# Altium PCB Master.PcbDoc (part 2 of 2)
Units mm, origin at the board's own origin, x right, y up, seen from the top; angles counter-clockwise.
Board outline 200 x 100 mm, 2 copper layers (Top Layer, Bottom Layer); 93 components, 64 nets, 321 pads, 80 vias.
Unrouted connection lines stored in the file: 1.
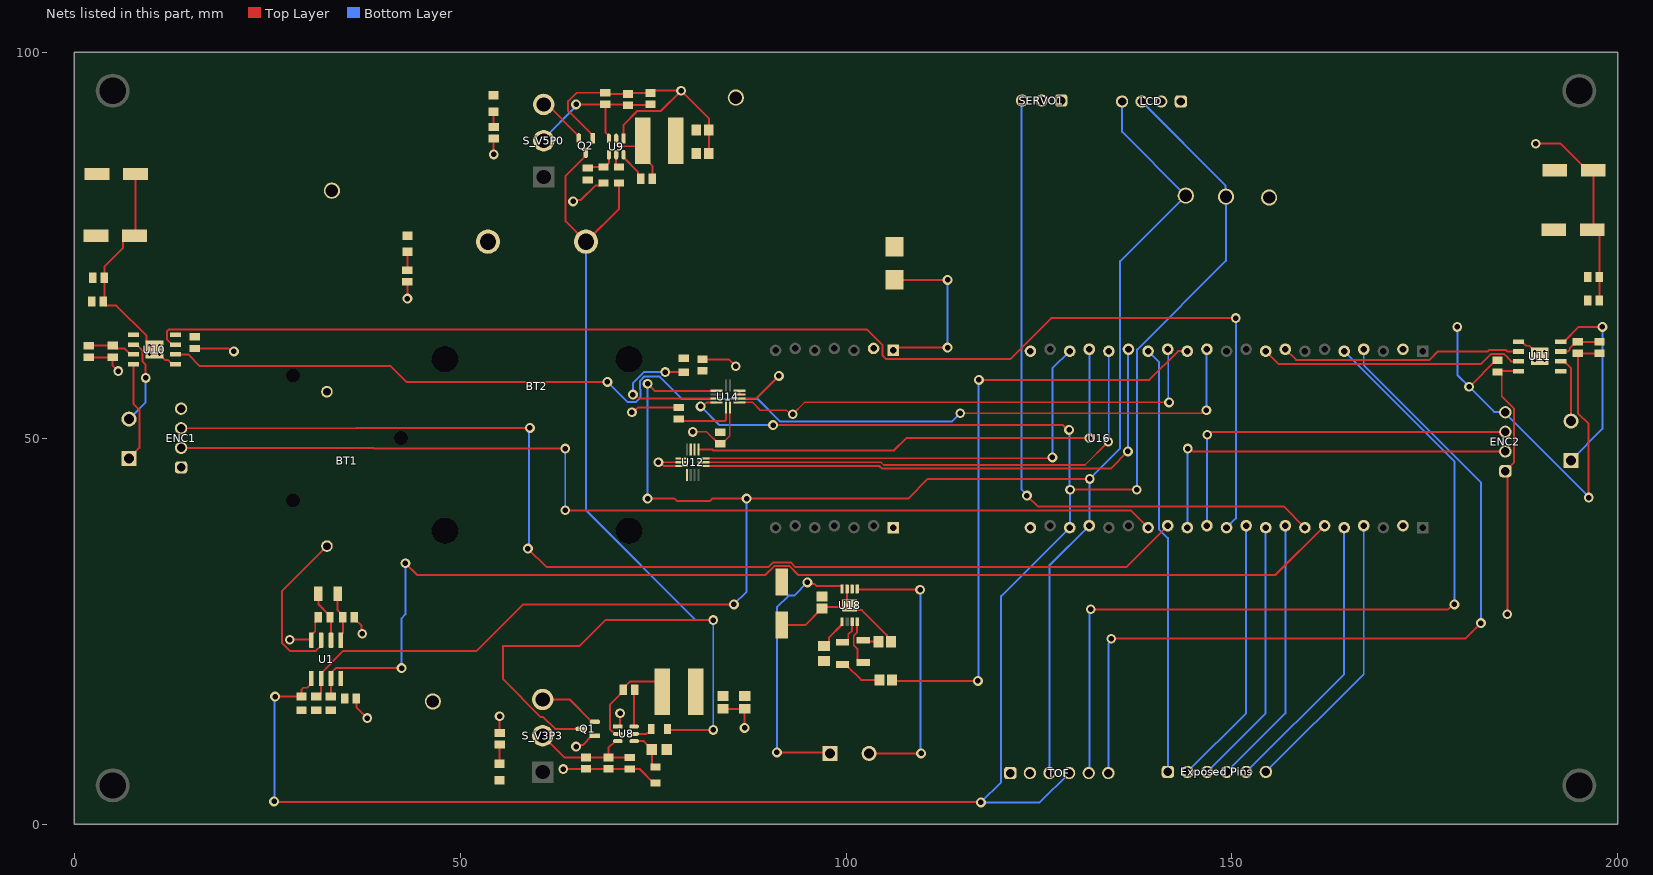
[diagram p2: the nets of this part, all layers, seen from the top]

## Part data (continued)
R20 R21 R23 R24: library part CMP-2001-00628-1, "RES 0.2 OHM 1% 1/2W 0805", Case Code (Imperial)=0805, Case Code (Metric)=2012, Manufacturer=Panasonic, Manufacturer Part Number=ERJ-6DSFR20V, Max Operating Temperature=155°C, Max Power Dissipation=500mW, Min Operating Temperature=-55°C, Supplier Part Number=P19315CT-ND, Temperature Coefficient=150ppm/°C, Tolerance=1%, Case/Package=0805, Category="Chip SMD Resistors", ComponentLink1Description=http://www.farnell.com/datasheets/2883947.pdf?src-supplier=Newark, ComponentLink1URL=http://www.farnell.com/datasheets/2883947.pdf?src-supplier=Newark, ComponentLink2Description=https://industrial.panasonic.com/cdbs/www-data/pdf/RDN0000/AOA0000C313.pdf?src-supplier=Digikey, ComponentLink2URL=https://industrial.panasonic.com/cdbs/www-data/pdf/RDN0000/AOA0000C313.pdf?src-supplier=Digikey, Features="Automotive AEC-Q200", Height=0.028inch, Length=0.079inch, Number of Terminations=2, Packaging="Cut Tape", Pricing="1=0.46, 10=0.314, 25=0.2444, 50=0.18, 100=0.1253, 250=0.1092, 500=0.09004, 1000=0.06514 (USD)", RoHS=Yes, Series=ERJ, Stock=49000, Supplier=Digikey, Width=0.049inch
R34 R35: library part CMP-03613-000233-1, "RES Thick Film, 301kΩ, 1%, 0.25W, 50ppm/°C, 1206", Case/Package=1206, Max Operating Temperature=155°C, Max Power Dissipation=250mW, Min Operating Temperature=-55°C, Package Quantity=5000, Resistance=301kR, Resistor Type="Thick Film", Temperature Coefficient=50ppm/°C, Tolerance=1%, Features="Automotive AEC-Q200", Height=0.024inch, Length=0.126inch, Number of Terminations=2, Packaging="Tape and Reel", RoHS Compliant=Yes, Series=CRCW-P, Width=0.063inch
R36: library part CMP-2001-04711-1, Manufacturer="Vishay Dale", Part Number=TNPW0805301KBEEN
S_V3P3 S_V5P0: "Slide Switch SPDT Through Hole", Package=None, Availability=Unavailable, MP=500SSP1S2M2QEA, Price=None
SERVO1: library part CMP-1502-01062-3, Color=Black, Contact Resistance=20mΩ, Current Rating=3A, Max Operating Temperature=105°C, Min Operating Temperature=-40°C, Operating Supply Voltage=250V, Connector Type="Male Pin", Contact Material=Copper, Contact Mating Length=5.9944mm, Contact Plating=Gold, Gender=Male, Height=8.94mm, Lead Free="Lead Free", Lead Pitch=2.54mm, Mount="Through Hole", NexarPartId=32855521, Number of Contacts=3, Number of Pins=3, Number of Positions=3, Number of Rows=1, Orientation=Vertical, Packaging=Bulk, Pitch=2.54mm, REACH SVHC=Unknown, RoHS=Compliant, Termination=Solder, Voltage Rating=250V
U1: "Real-time clock (RTC) with automatic switchover to backup supply", Package="SOIC-8 Texas Instruments", Check_prices=https://www.snapeda.com/parts/BQ32002DR/Texas+Instruments/view-part/?ref=eda, MF="Texas Instruments", MP=BQ32002DR, SnapEDA_Link=https://www.snapeda.com/parts/BQ32002DR/Texas+Instruments/view-part/?ref=snap
U8 U9: library part CMP-04918-000361-1, "IC REG BUCK ADJ 2A TSOT23-6", Case/Package=SOT, Max Input Voltage=17V, Max Operating Temperature=125°C, Max Output Current=2A, Min Input Voltage=4.5V, Min Operating Temperature=-40°C, Output Voltage=7V, Quiescent Current=400uA, Switching Frequency=580kHz, Contact Plating=Tin, Lead Free="Lead Free", Mount="Surface Mount", Number of Outputs=1, Number of Pins=6, Operating Supply Voltage=17V, Output Type=Adjustable, RoHS Compliant=Yes
U10 U11: "48-V, 3.5-A H bridge motor driver with current regulation and latched OCP 8-SO PowerPAD -40 to 150", Manufacturer 1="Texas Instruments", Manufacturer Part Number 1=DRV8251DDAR, Supplier Part Number 1=296-DRV8251DDARCT-ND, Category="Integrated Circuits (ICs)", Pricing="1=1.66, 10=1.495, 25=1.4108, 100=1.202, 250=1.12868, 500=0.9876, 1000=0.81829 (USD)", RoHS=No, Stock=4730, Supplier 1=Digi-Key
U12: library part IC-LSM6DSMTR, "Analog Circuit, 1 Func, CMOS, PBGA14", Case/Package=VFLGA, Manufacturer=STMicroelectronics, Max Operating Temperature=85°C, Max Supply Voltage=3.6V, Min Operating Temperature=-40°C, Min Supply Voltage=1.62V, Nominal Supply Voltage=1.8V, Operating Supply Current=0.29-0.65mA, Package=LGA-14L-DM00249496, Package Body Material=Plastic, Package Shape=Rectangular, Package Style="GRID ARRAY, VERY THIN PROFILE, FINE PITCHMeter", Peak Reflow Temperature (Cel)=260°C, Supplier Part Number 1=497-16696-1-ND, Temperature="-40°C to +85°C", Temperature Grade=INDUSTRIAL, Temperature Range High=+85°C, Accel Range=2/4/8/16g, Automotive=No, Category=IC, Channels=1, ComponentLink1Description=https://datasheet.ciiva.com:443/pdfs/VipMasterIC/IC/SGST/SGST-S-A0003491949/SGST-S-A0003491926-1.pdf?src-supplier=IHS+Markit, ComponentLink1URL=https://datasheet.ciiva.com:443/pdfs/VipMasterIC/IC/SGST/SGST-S-A0003491949/SGST-S-A0003491926-1.pdf?src-supplier=IHS+Markit, ComponentLink2Description=Datasheet, ComponentLink2URL=https://www.st.com/resource/en/datasheet/lsm6dsm.pdf, ComponentLink3Description=http://www.farnell.com/datasheets/2151220.pdf?src-supplier=Farnell, ComponentLink3URL=http://www.farnell.com/datasheets/2151220.pdf?src-supplier=Farnell, ComponentLink4Description=https://www.mouser.com/ds/2/389/lsm6dsm-973702.pdf?src-supplier=Mouser, ComponentLink4URL=https://www.mouser.com/ds/2/389/lsm6dsm-973702.pdf?src-supplier=Mouser, ComponentLink5Description=http://www.st.com/content/ccc/resource/sales_and_marketing/promotional_material/flyer/7a/04/ee/af/e2/19/46/66/fllsm6dsm0216.pdf/files/fllsm6dsm0216.pdf/jcr:content/translations/en.fllsm6dsm0216.pdf?src-supplier=Digikey, ComponentLink5URL=http://www.st.com/content/ccc/resource/sales_and_marketing/promotional_material/flyer/7a/04/ee/af/e2/19/46/66/fllsm6dsm0216.pdf/files/fllsm6dsm0216.pdf/jcr:content/translations/en.fllsm6dsm0216.pdf?src-supplier=Digikey, ComponentLink6Description=http://www.st.com/content/ccc/resource/technical/document/datasheet/76/27/cf/88/c5/03/42/6b/DM00218116.pdf/files/DM00218116.pdf/jcr:content/translations/en.DM00218116.pdf?src-supplier=Digikey, ComponentLink6URL=http://www.st.com/content/ccc/resource/technical/document/datasheet/76/27/cf/88/c5/03/42/6b/DM00218116.pdf/files/DM00218116.pdf/jcr:content/translations/en.DM00218116.pdf?src-supplier=Digikey, ComponentLink7Description=https://datasheet.octopart.com/LSM6DSMTR-STMicroelectronics-datasheet-62333594.pdf?src-supplier=Newark, ComponentLink7URL=https://datasheet.octopart.com/LSM6DSMTR-STMicroelectronics-datasheet-62333594.pdf?src-supplier=Newark, ComponentLink8Description=http://www.farnell.com/datasheets/2151220.pdf?src-supplier=Newark, ComponentLink8URL=http://www.farnell.com/datasheets/2151220.pdf?src-supplier=Newark, ComponentLink9Description=https://datasheet.octopart.com/LSM6DSMTR-STMicroelectronics-datasheet-79471837.pdf?src-supplier=Future+Electronics, ComponentLink9URL=https://datasheet.octopart.com/LSM6DSMTR-STMicroelectronics-datasheet-79471837.pdf?src-supplier=Future+Electronics, Device Class L1=Sensors, Device Class L2="Motion Sensors", Device Class L3="Inertial Measurement Units (IMUs)", Digikey Description="IMU ACCEL/GYRO I2C/SPI 14LGA", Footprint Url=https://www.st.com/content/ccc/resource/technical/document/technical_note/73/17/9c/16/dd/96/4a/01/CD00134799.pdf/files/CD00134799.pdf/jcr:content/translations/en.CD00134799.pdf, Gyro Range=125/250/500/1000/2000°/s, Height=0.86mm, Height - Seated (Max)=0.86mm, JESD-609 Code=e4, Lead Free=Yes, Length=3mm, Manufacturer Part Number 1=LSM6DSMTR, Moisture Sensitivity Level=3, Mouser Description="LSM6DSM Series 3.6 V I2C/SPI 3D Accelerometer and 3D Gyroscope - LGA-14", Octopart=https://octopart.com/lsm6dsmtr-stmicroelectronics-66358194, Pins=14, Pricing="1=3.92, 10=2.965, 25=2.7248, 100=2.461, 250=2.33524, 500=2.25944, 1000=2.19705, 2500=2.13118 (USD)", Reach SVHC Compliant=Yes, Resolution=16bits, RoHS=TRUE, RoHS Compliant=Yes, Sensor Output=I2C,SPI, Sensor Type=Temperature,Accelerometer,Gyroscope, Stock=16933, Supplier 1=Digikey, Surface Mount=Yes, Technology=CMOS, Temperature Range Low=-40°C, Terminal Finish=Nickel, Terminal Form=BUTT, Terminal Pitch=0.5mm, Terminal Position=BOTTOM, Throw Configuration="ANALOG CIRCUIT", Width=2.5mm
U14: library part CMP-12173-000003-1, "SENSOR MR I2C/SPI 12LGA", Case/Package=LGA, Max Operating Temperature=85°C, Min Operating Temperature=-40°C, Axis="X, Y, Z", Number of Pins=12, Output Type=SPI, Packaging="Cut Tape", Resolution=16b, RoHS Compliant=Yes, Sensing Method=Magnetoresistive
U16: library part IC_CY8CPROTO-063-BLE
U18: library part CMP-0991-00091-2, "1.4-W Mono Class-D Audio Amplifier, -40 to 85 degC, 8-pin SOP (DGN8), Green (RoHS & no Sb/Br)", Manufacturer="Texas Instruments", Output Power(W)=1.18, Supply Max(Max)(Volt)=5.5, Supply Min(Min)(Volt)=2.5, Code_JEDEC=MO-187, ComponentLink1Description="Manufacturer URL", ComponentLink1URL=http://www.ti.com/, ComponentLink2Description=Datasheet, ComponentLink2URL=http://www.ti.com/general/docs/lit/getliterature.tsp?genericPartNumber=TPA2005D1&fileType=pdf, ComponentLink3Description="Package Specification", ComponentLink3URL=http://www.ti.com/litv/pdf/mpds046e, DatasheetVersion=SLOS369F, Eco-Plan="Green (RoHS & no Sb/Br)", Mounting Technology="Surface Mount", PackageDescription="8-Pin Plastic Small Outline, Body 3 x 3 mm, Pitch 0.65 mm", PackageReference=DGN0008D, PackageVersion="4073271/F, 05/2011", PartNumber=TPA2005D1DGN, PSRR(dB)=-75, Speaker Amp Type=Class-D, Speaker Channels=Mono, SubFamily="Dynamic Speaker"
Y1: library part CMP-0447-00001-4, "Crystal 32.768kHz ±20ppm (Tol) 12.5pF FUND 70kΩ 2-Pin CSMD T/R", Case/Package=CSMD, ESR (Equivalent Series Resistance)=70kR, Frequency=32.768kHz, Frequency Tolerance=20ppm, Load Capacitance=12.5pF, Max Operating Temperature=85°C, Min Operating Temperature=-40°C, Operating Frequency="32.768 kHz", Package Quantity=3000, Depth=1.5mm, Height=0.9mm, Lead Free="Lead Free", Length=3.2mm, Number of Pins=2, Packaging="Tape and Reel", Radiation Hardening=No, REACH SVHC="No SVHC", RoHS Compliant=Yes, Series=ABS07, Series Resistance=70kR, Termination=SMD/SMT, Tolerance=20ppm, Width=1.5mm

## Via types
v1: diameter 1.27, hole 0.711, Top Layer to Bottom Layer, 75 vias
v2: diameter 0.5, hole 0.2, Top Layer to Bottom Layer, 5 vias

## Nets (pads, with @x,y where several pads share a name; then routed paths per layer and width w, separated by ;. In a path a pad name is that pad's centre, name@x,y a point inside that pad or via, vN(x,y) a via of type N, cw(c..) or ccw(c..) an arc to the next point about the centre after c; other vN are vias at no path point)
GND: BT1.2 BT2.N C1.2 C2.2 C3.2 C4.2 C5.2 C6.2 C7.2 C8.1 C9.1 C11.2 C12.2 C13.2 C14.1 C15.1 C17.1 C18.1 C19.2 C20.2 C21.1 C22.1 C23.2 C24.2 C25.2 C26.2 C27.2 C28.2 C34.1 C36.2 C37.1 ENC1.4 ENC2.4 GND.1 LCD.1 Q1.1 Q2.1 R14.1 R15.1 R18.2 R19.1 R20.1 R21.1 R22.1 R23.1 R24.1 SERVO1.1 TOF.1 U1.4 U8.1 U9.1 U10.1 U10.9 U11.1 U11.9 U12.6 U12.7 U14.6 U14.8 U16.J1.2 U16.J1.21 U16.J2.2 U16.J2.21 U16.J6.2 U16.J7.1 U18.7 U18.9 | length 269.3
  Top Layer w0.2: v1(80.137,50.8) 81.968,50.8 83.518,49.25 C26.2@83.718,49.25 83.918,49.25 84.959,50.291 U14.6@84.959,53.959
  Top Layer w0.254: R20.1@1.905,60.464 4.986,60.464 R21.1@5,60.478 5,59.396 5.715,58.681 v1(5.715,58.674) ; C17.1@7.961,84.201 7.961,76.327 C18.1@7.834,76.2 7.034,76.2 6.361,75.527 6.361,74.625 3.925,72.189 C20.2@3.925,70.739 3.925,67.818 C19.2@3.798,67.691 3.798,67.491 4.146,67.143 5.483,67.143 9.396,63.23 9.396,62.486 U10.9@9.842,62.039 ; U10.9@10.414,61.468 11.791,60.091 12.186,60.091 12.714,59.563 U10.1@13.139,59.563 U10.1@13.564,59.563 ; C4.2@15.621,61.607 20.033,61.607 20.426,61.214 v1(20.701,61.214) ; v1(27.94,23.876) 30.664,23.876 U1.4@30.734,23.806 30.734,24.491 31.242,24.999 31.242,26.301 C1.2@31.369,26.174 ; C2.2@36.31,26.797 36.31,26.597 37.253,25.654 37.253,24.723 v1(37.338,24.638) ; C3.2@36.564,16.256 36.564,15.125 v1(37.973,13.716) ; v1(43.18,68.072) R22.1@43.18,70.243 ; v1(54.356,86.741) R19.1@54.356,88.797 ; R15.1@55.118,11.799 v1(55.118,13.97) ; v1(63.373,7.112) 66.258,7.112 C5.2@66.294,7.148 C6.2@69.215,7.148 69.239,7.124 C7.2@72.009,7.124 73.287,7.124 75.111,5.3 R14.1@75.311,5.3 ; v1(64.643,80.645) 64.837,80.839 65.654,80.839 67.515,82.701 68.257,82.701 R18.2@68.58,83.024 ; v1(65.024,10.033) 65.218,10.227 65.912,10.227 67.089,11.404 Q1.1@67.475,11.404 ; Q2.1@67.209,88.811 67.209,89.197 64.008,92.398 64.008,93.639 65.099,94.73 C13.2@68.834,94.73 68.985,94.579 C12.2@71.755,94.579 71.882,94.706 C11.2@74.676,94.706 74.97,95 v1(78.638,95) ; U8.1@70.451,12.634 70.6,12.634 70.739,12.773 v1(70.739,14.351) ; U9.1@71.181,88.807 71.181,90.57 72.981,92.37 76.007,92.37 v1(78.638,95) ; v1(72.263,53.34) 72.454,53.34 73.077,53.963 C25.2@78.359,53.963 ; U12.7@78.724,46.363 76.467,46.363 75.967,46.863 v1(75.692,46.863) U12.6@78.724,46.863 ; C27.2@81.407,60.198 84.836,60.198 v1(85.725,59.309) ; C14.1@82.233,86.868 C15.1@82.233,89.916 82.233,91.405 v1(78.638,95) ; C9.1@84.074,14.922 C8.1@86.868,14.922 v1(86.868,12.446) ; U14.8@86.209,55.122 88.396,55.122 v1(91.313,58.039) ; C36.2@91.694,25.775 94.699,25.775 96.826,27.902 C37.1@96.901,27.902 97.139,28.14 100.276,28.14 v2(100.457,28.321) 100.132,28.646 U18.7@100.132,30.446 ; U18.9@101.068,27.71 102.055,27.71 105.306,24.459 105.306,24.145 C34.1@105.829,23.622 ; v1(180.721,56.642) 180.787,56.642 184.204,60.059 C28.2@184.404,60.059 ; U11.1@186.715,62.484 U11.1@187.14,62.484 187.565,62.484 188.093,61.956 188.488,61.956 U11.9@189.865,60.579 ; v1(189.357,88.138) 192.581,88.138 196.01,84.709 C22.1@196.81,84.709 196.81,77.089 C21.1@196.683,76.962 196.927,76.962 197.6,76.289 C24.2@197.6,70.866 197.6,67.83 C23.2@197.588,67.818 C23.2@197.588,67.618 ; v1(196.215,42.291) 196.215,51.829 194.818,53.226 R23.1@194.818,60.972 R24.1@197.612,60.972
  Bottom Layer w0.254: v1(179.197,64.389) 179.197,58.166 v1(180.721,56.642) 183.964,53.399 185.361,53.399 ENC2.4@185.42,53.34 185.42,53.213 196.215,42.418 v1(196.215,42.291)
  other v2: 99.857,27.871 101.057,27.871 99.857,28.771 101.057,28.771
ISENS1: R20.2 R21.2 U10.7 | length 6.3
  Top Layer w0.254: R20.2@1.905,61.964 4.986,61.964 R21.2@5,61.978 5.373,61.605 6.492,61.605 7.264,60.833 U10.7@7.689,60.833
ISENS2: R23.2 R24.2 U11.7 | length 5.7
  Top Layer w0.254: U11.7@192.59,61.214 193.548,61.214 193.762,61.428 193.762,61.63 194.231,62.099 194.445,62.099 R23.2@194.818,62.472 R24.2@197.612,62.472
NetC1_1: C1.1 U1.2 Y1.2 | length 6.7
  Top Layer w0.254: Y1.2@31.643,29.845 31.643,28.501 33.147,26.997 C1.1@33.147,26.797 33.274,26.67 U1.2@33.274,23.806
NetC2_1: C2.1 U1.1 Y1.1 | length 6.4
  Top Layer w0.254: Y1.1@34.143,29.845 34.143,27.664 34.81,26.997 C2.1@34.81,26.797 34.81,24.757 34.544,24.491 U1.1@34.544,23.806
NetC5_1: C5.1 C6.1 C7.1 S_V3P3.2 U8.3 | length 15.3
  Top Layer w0.254: S_V3P3.2@60.706,11.429 63.535,8.6 C5.1@66.294,8.6 C6.1@69.215,8.6 ; U8.3@70.451,10.734 70.09,10.734 69.215,9.859 C6.1@69.215,8.6 ; C7.1@72.009,8.624 69.239,8.624 C6.1@69.215,8.6
NetC10_1: C10.1 U8.6 | length 4.8
  Top Layer w0.254: U8.6@72.551,12.634 72.551,17.318 C10.1@72.632,17.399
NetC10_2: C10.2 L1.2 U8.2 | length 13.5
  Top Layer w0.254: U8.2@70.451,11.684 70.014,11.684 69.711,11.987 69.666,11.987 69.443,12.21 69.443,15.51 71.132,17.199 C10.2@71.132,17.399 71.132,17.599 71.988,18.455 75.336,18.455 76.209,17.582 L1.2@76.209,17.145
NetC11_1: C11.1 C12.1 C13.1 S_V5P0.2 U9.3 | length 20.8
  Top Layer w0.254: v1(65.024,93.218) 68.822,93.218 C13.1@68.834,93.23 ; U9.3@69.281,88.807 69.281,89.19 68.834,89.637 C13.1@68.834,93.23 ; C11.1@74.676,93.254 74.549,93.127 C12.1@71.755,93.127 71.652,93.23 C13.1@68.834,93.23
  Bottom Layer w0.254: S_V5P0.2@60.833,88.518 60.833,88.773 65.024,92.964 v1(65.024,93.218)
NetC16_1: C16.1 L2.2 U9.2 | length 9.9
  Top Layer w0.254: U9.2@70.231,88.807 70.231,88.371 70.534,88.068 70.534,88.022 70.757,87.799 72.949,87.799 L2.2@73.669,88.519 73.669,86.519 74.918,85.27 C16.1@74.918,83.566
NetC16_2: C16.2 U9.6 | length 4.1
  Top Layer w0.254: U9.6@71.181,86.707 71.181,86.346 73.07,84.457 73.07,83.914 C16.2@73.418,83.566
NetC25_1: C25.1 U14.5 | length 8.4
  Top Layer w0.254: C25.1@78.011,52.115 C25.1@78.359,52.463 78.625,52.197 84.306,52.197 84.455,52.346 84.455,53.955 U14.5@84.459,53.959
NetC34_2: C34.2 R34.1 | length 2.1
  Top Layer w0.254: R34.1@102.235,23.802 102.415,23.622 C34.2@104.229,23.622
NetC35_2: C35.2 R35.1 | length 5.6
  Top Layer w0.254: R35.1@99.568,20.648 99.968,20.648 101.947,18.669 C35.2@104.356,18.669
NetD_V3P3_1: D_V3P3.1 R15.2 | length 2.5
  Top Layer w0.254: D_V3P3.1@55.118,7.781 R15.2@55.118,10.299
NetD_V5P0_1: D_V5P0.1 R19.2 | length 2
  Top Layer w0.254: R19.2@54.356,90.297 D_V5P0.1@54.356,92.295
NetD_VBATT_1: D_VBATT.1 R22.2 | length 2.4
  Top Layer w0.254: R22.2@43.18,71.743 D_VBATT.1@43.18,74.134
NetJ11_1: J11.1 U18.8 | length 36
  Top Layer w0.254: v1(91.059,9.271) 97.79,9.271 J11.1@97.917,9.144 ; v1(94.996,31.296) 95.19,31.102 95.898,31.102 96.155,30.845 99.384,30.845 99.482,30.746 U18.8@99.482,30.446
  Bottom Layer w0.254: v1(91.059,9.271) 91.059,28.067 92.576,29.584 93.284,29.584 v1(94.996,31.296)
NetJ11_2: J11.2 U18.5 | length 36.2
  Top Layer w0.254: U18.5@101.432,30.446 101.525,30.353 v1(109.601,30.353) ; J11.2@102.997,9.144 v1(109.728,9.144)
  Bottom Layer w0.254: v1(109.601,30.353) 109.664,30.29 109.664,9.207 v1(109.728,9.144)
NetQ1_2: Q1.2 S_V3P3.3 | length 8
  Top Layer w0.254: S_V3P3.3@60.706,16.129 64.194,16.129 67.089,13.234 Q1.2@67.475,13.234
NetQ2_2: Q2.2 S_V5P0.3 | length 6.5
  Top Layer w0.254: S_V5P0.3@60.833,93.218 61.268,93.218 65.379,89.107 Q2.2@65.379,88.811
NetR12_1: R12.1 U8.5 | length 2.6
  Top Layer w0.254: U8.5@72.551,11.684 74.134,11.684 74.246,11.796 74.446,11.796 74.769,12.119 R12.1@74.769,12.319
NetR13_2: R13.2 R14.2 U8.4 | length 5.3
  Top Layer w0.254: U8.4@72.551,10.734 73.815,10.734 74.843,9.706 R13.2@74.843,9.652 74.843,7.723 75.166,7.4 R14.2@75.311,7.4
NetR16_1: R16.1 U9.5 | length 1.8
  Top Layer w0.254: U9.5@70.231,86.707 70.231,85.447 70.554,85.124 R16.1@70.612,85.124
NetR17_2: R17.2 R18.1 U9.4 | length 4.1
  Top Layer w0.254: R17.2@66.548,84.976 66.696,85.124 R18.1@68.58,85.124 68.78,85.124 69.281,85.625 U9.4@69.281,86.707
NetR34_2: R34.2 U18.4 | length 6.2
  Top Layer w0.254: U18.4@101.432,26.196 101.432,24.838 101.004,24.41 101.004,23.146 101.512,22.638 101.512,21.225 101.835,20.902 R34.2@102.235,20.902
NetR35_2: R35.2 U18.3 | length 3.4
  Top Layer w0.254: R35.2@99.568,23.548 99.968,23.548 100.291,23.871 100.291,24.564 100.782,25.055 U18.3@100.782,26.196
NetR36_2: R36.2 U18.1 | length 4.1
  Top Layer w0.254: R36.2@97.155,23.073 97.255,23.073 97.778,23.596 97.778,24.142 99.482,25.846 U18.1@99.482,26.196
OUT1_1: M1.2 U10.6 | length 11.5
  Top Layer w0.254: U10.6@7.689,62.103 8.114,62.103 8.888,61.329 8.888,59.886 9.271,59.503 v1(9.271,57.785)
  Bottom Layer w0.254: M1.2@7.112,52.451 9.271,54.61 v1(9.271,57.785)
OUT1_2: M2.2 U11.6 | length 8.6
  Top Layer w0.254: U11.6@192.59,59.944 193.015,59.944 193.929,59.03 M2.2@193.929,52.197
OUT2_1: M1.1 U10.8 | length 13.1
  Top Layer w0.254: M1.1@7.112,47.371 8.468,48.727 8.468,53.669 7.689,54.448 U10.8@7.689,59.563
OUT2_2: M2.1 U11.8 | length 25.1
  Top Layer w0.254: U11.8@192.59,62.484 193.015,62.484 194.92,64.389 v1(197.993,64.389)
  Bottom Layer w0.254: M2.1@193.929,47.117 197.993,51.181 v1(197.993,64.389)
P5.2_ENC1_1: ENC1.2 U16.J2.15 | length 134.2
  Top Layer w0.254: ENC1.2@13.866,48.73 38.817,48.73 38.906,48.641 v1(63.627,48.641) ; v1(63.627,40.64) 136.888,40.64 U16.J2.15@139.135,38.393
  Bottom Layer w0.254: v1(63.627,40.64) v1(63.627,48.641)
P5.3_ENC1_2: ENC1.3 U16.J2.14 | length 147.6
  Top Layer w0.254: ENC1.3@13.866,51.27 36.518,51.27 36.556,51.308 v1(59.055,51.308) ; v1(58.801,35.687) 61.214,33.274 89.939,33.274 90.571,33.906 92.817,33.906 93.449,33.274 136.302,33.274 U16.J2.14@141.675,38.647
  Bottom Layer w0.254: v1(58.801,35.687) 58.928,35.814 58.928,51.181 v1(59.055,51.308)
P5.4_ENC2_1: ENC2.2 U16.J2.13 | length 51.6
  Top Layer w0.254: v1(144.272,48.641) 144.547,48.641 144.928,48.26 ENC2.2@185.42,48.26
  Bottom Layer w0.254: U16.J2.13@144.215,38.393 144.243,38.422 144.243,48.612 v1(144.272,48.641)
P5.5_ENC2_2: ENC2.3 U16.J2.12 | length 50.6
  Top Layer w0.254: v1(146.812,50.419) 147.087,50.419 147.468,50.8 ENC2.3@185.42,50.8
  Bottom Layer w0.254: U16.J2.12@146.755,38.647 146.783,38.676 146.783,50.39 v1(146.812,50.419)
P5.6_M1in1: U10.3 U16.J2.11 | length 173.2
  Top Layer w0.254: U10.3@13.139,62.103 12.714,62.103 12.033,62.784 12.033,63.831 12.256,64.054 102.725,64.054 104.704,62.075 104.704,60.723 105.205,60.222 121.264,60.222 126.574,65.532 v1(150.495,65.532)
  Bottom Layer w0.254: U16.J2.11@149.295,38.393 150.495,39.593 v1(150.495,65.532)
P6.2_M1in2: U10.2 U16.J1.12 | length 149.8
  Top Layer w0.254: U10.2@13.139,60.833 14.783,60.833 16.289,59.327 41.003,59.327 43.053,57.277 v1(69.088,57.277) ; v1(114.808,53.213) 146.029,53.213 146.41,53.594 v1(146.685,53.594)
  Bottom Layer w0.254: v1(69.088,57.277) 71.701,54.664 72.788,54.664 73.352,55.228 73.352,56.315 73.333,56.334 73.333,57.421 73.897,57.985 75.783,57.985 78.704,55.064 88.536,55.064 91.476,52.124 113.719,52.124 v1(114.808,53.213) ; v1(146.685,53.594) 146.72,53.629 146.72,61.472 U16.J1.12@146.755,61.507
P6.4_SCL: LCD.4 R1.2 SCL.1 TOF.3 U1.6 U14.1 U16.J2.18 | length 255.4
  Top Layer w0.254: R1.2@31.369,16.521 31.544,16.521 32.004,16.981 U1.6@32.004,18.866 32.004,19.551 34.893,22.44 52.152,22.44 58.16,28.448 v1(85.471,28.448) ; v1(74.295,42.164) 77.792,42.164 78.128,41.828 82.32,41.828 82.656,42.164 v1(87.122,42.164) 108.077,42.164 110.617,44.704 v1(131.572,44.704) ; v1(74.295,57.023) 75.196,56.122 U14.1@83.209,56.122
  Bottom Layer w0.254: v1(74.295,42.164) v1(74.295,57.023) ; v1(85.471,28.448) 87.122,30.099 v1(87.122,42.164) ; TOF.3@126.365,6.604 126.365,33.497 U16.J2.18@131.515,38.647 131.543,38.676 131.543,44.675 v1(131.572,44.704) 135.518,48.65 135.518,72.907 SCL.1@144.018,81.407 135.763,89.662 LCD.4@135.763,93.599
P6.5_SDA: LCD.3 R2.2 SDA.1 TOF.4 U1.5 U14.4 U16.J2.19 | length 297.5
  Top Layer w0.254: v1(25.908,2.921) 25.971,2.857 117.411,2.857 v1(117.475,2.794) ; v1(26.035,16.51) 29.453,16.51 R2.2@29.464,16.521 29.464,17.402 29.711,17.649 30.202,17.649 30.734,18.181 U1.5@30.734,18.866 ; v1(81.153,54.102) 81.428,54.102 81.948,54.622 U14.4@83.209,54.622 ; v1(90.551,51.689) 128.103,51.689 128.738,51.054 v1(128.905,51.054) ; v1(129.032,43.307) v1(137.668,43.307)
  Bottom Layer w0.254: v1(25.908,2.921) 25.971,2.984 25.971,16.447 v1(26.035,16.51) ; v1(81.153,54.102) 83.566,51.689 v1(90.551,51.689) ; TOF.4@128.905,6.604 125.095,2.794 v1(117.475,2.794) 120.104,5.423 120.104,29.522 U16.J2.19@128.975,38.393 129.003,38.422 129.003,43.278 v1(129.032,43.307) 128.969,43.37 128.969,50.99 v1(128.905,51.054) ; v1(137.668,43.307) 137.726,43.365 137.726,61.443 149.225,72.943 SDA.1@149.225,81.28 149.191,81.314 149.191,82.711 LCD.3@138.303,93.599
P7.2_M2in1: U11.3 U16.J1.9 | length 34.4
  Top Layer w0.254: U16.J1.9@154.375,61.253 156.014,59.614 182.27,59.614 183.571,60.915 185.237,60.915 185.707,60.445 185.707,60.414 186.177,59.944 U11.3@187.14,59.944
P7.7_M2in2: U11.2 U16.J1.8 | length 31.4
  Top Layer w0.254: U16.J1.8@156.915,61.507 158.3,60.122 175.603,60.122 176.695,61.214 183.152,61.214 183.361,61.423 185.447,61.423 185.656,61.214 U11.2@187.14,61.214
P9.0_SPI_MOSI: U12.14 U16.J1.19 | length 59.9
  Top Layer w0.2: U12.14@81.563,47.376 v1@126.624,47.376
  Top Layer w0.254: U12.14@81.55,47.363 U12.14@81.563,47.376 ; v1@126.624,47.376 v1(126.746,47.498)
  Bottom Layer w0.254: v1(126.746,47.498) 126.746,59.024 U16.J1.19@128.975,61.253
P9.1_SPI_MISO: U12.1 U16.J1.18 | length 62.9
  Top Layer w0.254: U12.1@80.887,48.525 80.898,48.514 82.665,48.514 82.785,48.394 106.22,48.394 107.826,50 v1(131.536,50)
  Bottom Layer w0.254: U16.J1.18@131.515,61.507 131.525,61.496 131.525,50.011 v1(131.536,50)
P9.2_SPI_SCLK: U12.13 U16.J1.17 | length 65.6
  Top Layer w0.2: U12.13@81.55,46.863 104.52,46.863 104.874,46.509 130.964,46.509 v1(133.985,49.53)
  Bottom Layer w0.2: v1(133.985,49.53) 134.02,49.565 134.02,61.218 U16.J1.17@134.055,61.253
P9.3_SPI_CSN_IMU: U12.12 U16.J1.16 | length 69.3
  Top Layer w0.254: U12.12@81.55,46.363 104.339,46.363 104.674,46.028 134.293,46.028 v1(136.525,48.26)
  Bottom Layer w0.254: v1(136.525,48.26) 136.56,48.295 136.56,61.472 U16.J1.16@136.595,61.507
P9.4: "Exposed Pins.1" U16.J1.15 | length 55.6
  Bottom Layer w0.254: U16.J1.15@139.135,61.253 140.534,59.854 140.534,38.189 141.694,37.028 141.694,6.743
P9.5_MAG_INT: U14.7 U16.J1.14 | length 63.9
  Top Layer w0.2: U14.7@86.209,54.622 87.872,54.622 88.9,53.594 92.293,53.594 92.801,53.086 v1(93.091,53.086) 94.615,54.61 v1(141.859,54.61)
  Bottom Layer w0.2: U16.J1.14@141.675,61.507 141.767,61.415 141.767,54.702 v1(141.859,54.61)
P9.6_Speaker: C35.1 U16.J1.13 | length 78.8
  Top Layer w0.254: C35.1@105.956,18.669 106.083,18.542 v1(117.094,18.542) ; v1(117.221,57.531) 139.298,57.531 143.02,61.253 U16.J1.13@144.215,61.253
  Bottom Layer w0.254: v1(117.094,18.542) 117.157,18.605 117.157,57.468 v1(117.221,57.531)
P10.0: "Exposed Pins.2" U16.J2.10 | length 35.1
  Bottom Layer w0.254: 144.234,6.743 151.835,14.344 U16.J2.10@151.835,38.647
P10.1: "Exposed Pins.3" U16.J2.9 | length 34.8
  Bottom Layer w0.254: 146.774,6.743 154.375,14.344 U16.J2.9@154.375,38.393
P10.2: "Exposed Pins.4" U16.J2.8 | length 35.1
  Bottom Layer w0.254: 149.314,6.743 156.915,14.344 U16.J2.8@156.915,38.647
P10.3_Servo: SERVO1.3 U16.J2.7 | length 89.2
  Top Layer w0.254: v1(123.444,42.545) 124.841,41.148 156.7,41.148 U16.J2.7@159.455,38.393
  Bottom Layer w0.254: SERVO1.3@122.809,93.726 122.764,93.681 122.764,43.302 123.444,42.621 v1(123.444,42.545)
P10.4_RTC_irq: R3.2 U1.7 U16.J2.6 | length 149.6
  Top Layer w0.254: R3.2@33.274,16.521 U1.7@33.274,18.866 33.274,19.551 33.955,20.232 42.379,20.232 v1(42.418,20.193) ; v1(42.926,33.782) 44.45,32.258 89.565,32.258 90.759,33.452 92.629,33.452 93.823,32.258 155.606,32.258 U16.J2.6@161.995,38.647
  Bottom Layer w0.254: v1(42.418,20.193) 42.418,26.636 42.926,27.144 v1(42.926,33.782)
P10.5: "Exposed Pins.5" U16.J2.5 | length 36.9
  Bottom Layer w0.254: 151.854,6.743 164.535,19.424 U16.J2.5@164.535,38.393
P10.6: "Exposed Pins.6" U16.J2.4 | length 37.2
  Bottom Layer w0.254: 154.394,6.743 167.075,19.424 U16.J2.4@167.075,38.647
P12.6_TOF_XSHUT: TOF.5 U16.J1.5 | length 107.4
  Top Layer w0.254: v1(131.699,27.813) 178.014,27.813 178.649,28.448 v1(178.816,28.448)
  Bottom Layer w0.254: TOF.5@131.445,6.604 131.572,6.731 131.572,27.686 v1(131.699,27.813) ; U16.J1.5@164.535,61.253 178.816,46.972 v1(178.816,28.448)
P12.7_TOF_IO: TOF.6 U16.J1.4 | length 108
  Top Layer w0.254: v1(134.366,24.003) 180.213,24.003 v1(182.245,26.035)
  Bottom Layer w0.254: TOF.6@133.985,6.604 133.985,23.347 134.366,23.728 v1(134.366,24.003) ; U16.J1.4@167.075,61.507 167.075,59.431 182.245,44.261 v1(182.245,26.035)
SPI_CS_N_MAG: R29.2 U14.3 | length 19.7
  Top Layer w0.2: v1(72.39,55.626) 72.68,55.626 73.184,55.122 U14.3@83.209,55.122
  Top Layer w0.254: v1(76.581,58.547) 78.983,58.547 R29.2@78.994,58.536
  Bottom Layer w0.254: v1(72.39,55.626) 72.39,57.121 73.816,58.547 v1(76.581,58.547)
V3P3: C3.1 C4.1 C8.2 C9.2 C26.1 C27.1 C28.1 C36.1 C37.2 D_V3P3.2 ENC1.1 ENC2.1 L1.1 R1.1 R2.1 R3.1 R13.1 R29.1 R36.1 TOF.2 U1.8 U10.4 U11.4 U12.2 U12.3 U12.5 U12.8 U14.9 U14.10 U18.6 V3P3.1 | length 36.2
  Top Layer w0.254: U14.9@86.209,55.622 U14.10@86.209,56.122 ; v1(185.674,27.178) 185.674,45.466 ENC2.1@185.42,45.72 186.547,46.847 186.547,53.807 184.952,55.402 184.952,58.211 184.604,58.559 C28.1@184.404,58.559 184.519,58.674 U11.4@187.14,58.674
V5P0: C14.2 C15.2 D8.2 D_V5P0.2 L2.1 LCD.2 R17.1 SERVO1.2 V5P0.1
V5P0_PROTO: D8.1 U16.J6.1 | length 22.8
  Top Layer w0.254: U16.J6.1@106.113,61.353 106.482,61.722 v1(113.157,61.722) ; D8.1@106.299,70.494 106.308,70.485 v1(113.157,70.485)
  Bottom Layer w0.254: v1(113.157,61.722) v1(113.157,70.485)
VBAT_RTC: BT1.1 U1.3 | length 21.4
  Top Layer w0.254: U1.3@32.004,23.806 32.004,23.121 31.323,22.44 27.939,22.44 26.924,23.455 26.924,30.174 BT1.1@32.75,36
VBATT: BT2.P C17.2 C18.2 C19.1 C20.1 C21.2 C22.2 C23.1 C24.1 D_VBATT.2 Q1.3 Q2.3 R12.2 R16.2 U10.5 U11.5 VBATT.1 | length 146.2
  Top Layer w0.254: Q1.3@65.621,12.319 62.317,12.319 60.778,13.858 60.476,13.858 55.536,18.798 55.536,23.075 65.487,23.075 68.828,26.416 v1(82.804,26.416) ; Q2.3@66.294,86.957 66.294,86.571 63.681,83.958 63.681,78.074 BT2.P@66.317,75.438 70.612,79.733 R16.2@70.612,83.024 ; R12.2@76.869,12.319 76.996,12.192 v1(82.804,12.192)
  Bottom Layer w0.254: BT2.P@66.317,75.438 66.317,40.631 80.532,26.416 v1(82.804,26.416) v1(82.804,12.192)
pads on no net: BT1.MH1 BT1.MH2 BT1.MH3 BT2. MH5.1 MH6.1 MH7.1 MH8.1 S_V3P3.1 S_V5P0.1 U12.4 U12.9 U12.10 U12.11 U14.2 U14.11 U14.12 U16.J1.1 U16.J1.3 U16.J1.6 U16.J1.7 U16.J1.10 U16.J1.11 U16.J1.20 U16.J2.1 U16.J2.3 U16.J2.16 U16.J2.17 U16.J2.20 U16.J6.3 U16.J6.4 U16.J6.5 U16.J6.6 U16.J6.7 U16.J7.2 U16.J7.3 U16.J7.4 U16.J7.5 U16.J7.6 U16.J7.7 U18.2

## Polygon pours and split planes (outlines as drawn)
VBATT on Top Layer "VBATT_L01_P004" (solid, remove dead copper, pour order 4): 58.928,72.136 59.309,72.517 59.309,78.486 76.454,78.486 76.708,78.232 76.708,72.136 165.735,72.136 165.735,89.535 199.009,89.535 199.009,55.499 190.754,55.499 190.754,66.421 189.611,67.564 188.976,66.929 9.652,66.929 9.652,58.801 9.525,58.674 0.762,58.674 0.762,86.487 45.212,86.487 45.212,72.517 45.974,71.755 46.355,72.136
V5P0 on Top Layer "V5P0_L01_P003" (solid, remove dead copper, pour order 3): 78.486,72.898 78.486,79.756 57.912,79.756 57.912,73.025 57.785,72.898 45.72,72.898 45.72,98.425 162.941,98.425 162.941,72.898
V3P3 on Top Layer "V3P3_L01_P002" (solid, remove dead copper, pour order 2): 187.833,29.718 187.833,29.21 187.914,29.129 187.914,0 11.176,0 11.176,65.896 151.257,65.896 151.257,29.718
GND on Bottom Layer "GND_L02_P001" (solid, pour order 1): 200,59.563 149.606,59.563 149.606,40.132 149.63,40.156 200,40.156 200,0 0,0 0,100 200,100

## Keep-outs
Keep-Out Layer:
  lines w0.254: -0.127,0 ccw(c0,0) 0,-0.127 ; -0.127,0 ccw(c0,0) 0,-0.127 ; -0.127,0 -0.127,100 ; -0.127,100 cw(c0,100) 0,100.127 ; -0.127,100 cw(c0,100) 0,100.127 ; 0,-0.127 200,-0.127 ; 0,100.127 200,100.127 ; 200,-0.127 ccw(c200,0) 200.127,0 ; 200,-0.127 ccw(c200,0) 200.127,0 ; 200,100.127 cw(c200,100) 200.127,100 ; 200,100.127 cw(c200,100) 200.127,100 ; 200.127,0 200.127,99.975 200.127,100 ; 0.127,0.127 199.873,0.127 199.873,99.873 0.127,99.873 0.127,0.127

## Silkscreen, mask and mechanical layers (free items; w line width, h text height)
Top Overlay:
  lines w0.254: 91.567,79.375 138.176,79.375 138.176,91.44 91.567,91.44 91.567,79.375
  text "ECE453 F25 Runaway Alarm" at 94.107,88.738 h1.8
  text "Team01" at 110.236,85.598 h1.52
  text "Max Leblang" at 100.711,82.883 h1
  text "Van Tran" at 117.094,82.804 h1
  text "Aayushi Singh" at 100.711,80.597 h1
  text "Mannan Jindal" at 117.094,80.391 h1
Mechanical 2:
  the board outline again, w0.254

## Dimensions
200,100 to 200,0 on Mechanical 1
200,99.975 to 0,100 on Mechanical 1

## Text inside footprints (layer, text, board x,y; h text height)
C36: Top Overlay "+" at 92.194,33.425 h1.22 r90
U16: Top Overlay "VBCK" at 175.003,30.338 h1 r90; Top Overlay "P6.VDD" at 175.13,65.577 h1 r90; Top Overlay "GND" at 172.59,65.577 h1 r90; Top Overlay "XRES_N" at 169.883,65.577 h1 r90; Top Overlay "P12.7" at 167.51,65.577 h1 r90; Top Overlay "P12.6" at 164.97,65.577 h1 r90; Top Overlay "P0.5" at 162.43,65.577 h1 r90; Top Overlay "P0.4" at 159.89,65.577 h1 r90; Top Overlay "P7.7" at 157.35,65.577 h1 r90; Top Overlay "P7.2" at 154.81,65.577 h1 r90; Top Overlay "P7.1" at 152.708,65.859 h1 r90; Top Overlay "P6.3" at 149.279,65.859 h1 r90; Top Overlay "P6.2" at 147.19,65.577 h1 r90; Top Overlay "P9.6" at 144.65,65.577 h1 r90; Top Overlay "P9.5" at 142.11,65.577 h1 r90; Top Overlay "P9.4" at 139.57,65.577 h1 r90; Top Overlay "P9.3" at 137.03,65.577 h1 r90; Top Overlay "P9.2" at 134.49,65.577 h1 r90; Top Overlay "P9.1" at 131.95,65.577 h1 r90; Top Overlay "P9.0" at 129.41,65.577 h1 r90; Top Overlay "P6.VDD" at 126.87,65.577 h1 r90; Top Overlay "GND" at 124.33,65.577 h1 r90; Top Overlay "5V" at 106.55,65.517 h1 r90; Top Overlay "GND" at 104.01,65.517 h1 r90; Top Overlay "SDA" at 98.93,65.517 h1 r90; Top Overlay "SCL" at 96.39,65.517 h1 r90; Top Overlay "RX" at 93.85,65.517 h1 r90; Top Overlay "TX" at 91.31,65.517 h1 r90; Top Overlay "GND" at 172.463,30.338 h1 r90; Top Overlay "VREF" at 169.923,30.338 h1 r90; Top Overlay "P10.6" at 167.383,30.338 h1 r90; Top Overlay "P10.5" at 164.843,30.338 h1 r90; Top Overlay "P10.4" at 162.303,30.338 h1 r90; Top Overlay "P10.3" at 159.763,30.338 h1 r90; Top Overlay "P10.2" at 157.223,30.338 h1 r90; Top Overlay "P10.1" at 154.683,30.338 h1 r90; Top Overlay "P10.0" at 152.143,30.338 h1 r90; Top Overlay "P5.6" at 149.603,30.338 h1 r90; Top Overlay "P5.5" at 147.063,30.338 h1 r90; Top Overlay "P5.4" at 144.523,30.338 h1 r90; Top Overlay "P5.3" at 141.983,30.338 h1 r90; Top Overlay "P5.2" at 139.443,30.338 h1 r90; Top Overlay "P5.0" at 136.903,30.338 h1 r90; Top Overlay "P5.1" at 134.363,30.338 h1 r90; Top Overlay "P6.4" at 131.823,30.338 h1 r90; Top Overlay "P6.5" at 129.283,30.338 h1 r90; Top Overlay "VIN" at 126.743,30.338 h1 r90; Top Overlay "GND" at 124.203,30.338 h1 r90; Top Overlay "GND" at 106.423,30.338 h1 r90